# Allegro board 8880F5-0827_6.brd (continued)
## Placement (name value [footprint] x y rotation side) (continued)
NOREF#2095  -  []  468.01 222.58 0 top
NOREF#2096  -  []  251.62 205.56 90 top
NOREF#2097  -  []  371.48 232.6 0 top
NOREF#2098  -  []  249.28 223.82 90 top
NOREF#2099  -  []  251.94 264.65 90 top
NOREF#2100  -  []  220.36 237.06 0 top
NOREF#2101  -  []  237.66 164.72 0 top
NOREF#2102  -  []  271.04 242.96 0 top
NOREF#2103  -  []  262.36 223.82 90 top
NOREF#2104  -  []  184.47 233.47 90 top
NOREF#2105  -  []  258.35 288.91 90 top
NOREF#2106  -  []  241.6 296.61 0 top
NOREF#2107  -  []  310.43 246.34 90 top
NOREF#2108  -  []  310.43 188.88 90 top
NOREF#2109  -  []  352.55 245.18 0 top
NOREF#2110  -  []  386.46 139.89 0 top
NOREF#2111  -  []  248.33 187.93 0 top
NOREF#2112  -  []  230.43 193.37 90 top
NOREF#2113  -  []  259.33 265.55 0 top
NOREF#2114  -  []  463.61 214.96 0 top
NOREF#2115  -  []  456.04 222.5 0 top
NOREF#2116  -  []  175.7 232.37 90 top
NOREF#2117  -  []  511.59 259.9 90 top
NOREF#2118  -  []  252.51 205.56 0 top
NOREF#2119  -  []  201.23 247.18 90 top
NOREF#2120  -  []  211.11 173.86 90 top
NOREF#2121  -  []  330.18 182.88 0 top
NOREF#2122  -  []  381.74 281.11 0 top
NOREF#2123  -  []  127.7 238.84 0 top
NOREF#2124  -  []  306.71 139.64 0 top
NOREF#2125  -  []  399.99 164.91 90 top
NOREF#2126  -  []  412.62 281.37 0 top
NOREF#2127  -  []  390.53 154.88 0 top
NOREF#2128  -  []  473.6 206.05 90 top
NOREF#2129  -  []  485.36 292.02 90 top
NOREF#2130  -  []  396.03 146.88 0 top
NOREF#2131  -  []  297.71 216.09 0 top
NOREF#2132  -  []  124.1 231.22 0 top
NOREF#2133  -  []  263.95 224.74 90 top
NOREF#2134  -  []  453.84 179.06 0 top
NOREF#2135  -  []  328.62 290.13 90 top
NOREF#2136  -  []  473.79 196.21 0 top
NOREF#2137  -  []  167.7 187.92 90 top
NOREF#2138  -  []  399.07 208.91 90 top
NOREF#2139  -  []  328.33 187.93 0 top
NOREF#2140  -  []  201.49 178.86 90 top
NOREF#2141  -  []  124.1 238.84 0 top
NOREF#2142  -  []  346.08 296.86 0 top
NOREF#2143  -  []  248.96 224.72 0 top
NOREF#2144  -  []  271.04 184.23 0 top
NOREF#2145  -  []  399.64 144.98 0 top
NOREF#2146  -  []  316.43 132.91 90 top
NOREF#2147  -  []  271.04 189.18 0 top
NOREF#2148  -  []  459.28 183.57 90 top
NOREF#2149  -  []  400.25 148.15 90 top
NOREF#2150  -  []  495.08 274.77 90 top
NOREF#2151  -  []  459.28 192.71 0 top
NOREF#2152  -  []  192.57 228.97 90 top
NOREF#2153  -  []  328.96 164.72 0 top
NOREF#2154  -  []  165.8 226.57 90 top
NOREF#2155  -  []  108.27 171.02 0 top
NOREF#2156  -  []  398.65 225.11 0 top
NOREF#2157  -  []  309.21 188.88 0 top
NOREF#2158  -  []  201.21 290.01 90 top
NOREF#2159  -  []  101.82 273.87 90 top
NOREF#2160  -  []  303.47 154.05 0 top
NOREF#2161  -  []  378.58 289.12 90 top
NOREF#2162  -  []  118.96 179.19 0 top
NOREF#2163  -  []  237.98 223.82 90 top
NOREF#2164  -  []  272.25 241.69 0 top
NOREF#2165  -  []  229.51 193.69 0 top
NOREF#2166  -  []  379.52 171.39 0 top
NOREF#2167  -  []  352.24 181.05 90 top
NOREF#2168  -  []  271.34 245.18 0 top
NOREF#2169  -  []  310.41 188.88 90 top
NOREF#2170  -  []  263.31 164.74 0 top
NOREF#2171  -  []  326.43 288.31 90 top
NOREF#2172  -  []  392.24 199.18 90 top
NOREF#2173  -  []  166.06 230.19 90 top
NOREF#2174  -  []  352.24 243.59 90 top
NOREF#2175  -  []  252.51 265.56 90 top
NOREF#2176  -  []  373.87 171.39 0 top
NOREF#2177  -  []  199.33 257.62 90 top
NOREF#2178  -  []  461.96 174.55 0 top
NOREF#2179  -  []  310.43 248.88 0 top
NOREF#2180  -  []  310.73 253.69 0 top
NOREF#2181  -  []  167.7 159.65 90 top
NOREF#2182  -  []  344.37 128.27 90 top
NOREF#2183  -  []  259.33 205.55 0 top
NOREF#2184  -  []  330.51 288.86 0 top
NOREF#2185  -  []  250.17 223.82 90 top
NOREF#2186  -  []  271.34 189.5 0 top
NOREF#2187  -  []  331.62 264.35 90 top
NOREF#2188  -  []  272.25 245.5 0 top
NOREF#2189  -  []  351.04 249.18 0 top
NOREF#2190  -  []  331.62 205.56 90 top
NOREF#2191  -  []  175.7 189.02 90 top
NOREF#2192  -  []  166.06 189.04 90 top
NOREF#2193  -  []  353.35 288.31 90 top
NOREF#2194  -  []  118.99 171.65 0 top
NOREF#2195  -  []  305.94 296.86 0 top
NOREF#2196  -  []  309.21 253.37 0 top
NOREF#2197  -  []  201.49 151.93 90 top
NOREF#2198  -  []  260.74 143.19 0 top
NOREF#2199  -  []  367.48 258.38 90 top
NOREF#2200  -  []  184.47 241.43 0 top
NOREF#2201  -  []  394.05 255.47 0 top
NOREF#2202  -  []  167.7 206.29 90 top
NOREF#2203  -  []  346.27 132.97 90 top
NOREF#2204  -  []  270.04 135.24 90 top
NOREF#2205  -  []  327.25 264.35 90 top
NOREF#2206  -  []  351.04 249.82 0 top
NOREF#2207  -  []  309.51 243.41 0 top
NOREF#2208  -  []  111.54 287.84 90 top
NOREF#2209  -  []  267.84 280.1 0 top
NOREF#2210  -  []  262.36 296.86 0 top
NOREF#2211  -  []  251.62 205.56 0 top
NOREF#2212  -  []  463.61 171.53 0 top
NOREF#2213  -  []  351.04 182.96 0 top
NOREF#2214  -  []  127.95 195.15 0 top
NOREF#2215  -  []  473.79 239.64 0 top
NOREF#2216  -  []  250.74 224.74 0 top
NOREF#2217  -  []  352.24 249.18 90 top
NOREF#2218  -  []  397.55 209.41 90 top
NOREF#2219  -  []  122.15 222.33 0 top
NOREF#2220  -  []  376.23 209.11 0 top
NOREF#2221  -  []  100.73 238.84 0 top
NOREF#2222  -  []  404.4 257.42 90 top
NOREF#2223  -  []  405.51 209.61 0 top
NOREF#2224  -  []  313.98 131.19 90 top
NOREF#2225  -  []  117.33 247.35 90 top
NOREF#2226  -  []  263.71 288.86 0 top
NOREF#2227  -  []  331.38 223.52 90 top
NOREF#2228  -  []  230.41 248.88 90 top
NOREF#2229  -  []  390.69 273.11 0 top
NOREF#2230  -  []  209.49 155.13 90 top
NOREF#2231  -  []  304.82 146.05 0 top
NOREF#2232  -  []  201.23 227.72 90 top
NOREF#2233  -  []  459.24 219.3 90 top
NOREF#2234  -  []  334.29 205.55 0 top
NOREF#2235  -  []  184.47 201.89 90 top
NOREF#2236  -  []  378.33 224.6 90 top
NOREF#2237  -  []  329.28 223.82 90 top
NOREF#2238  -  []  314.33 228.13 90 top
NOREF#2239  -  []  201.23 187.92 90 top
NOREF#2240  -  []  199.08 254 90 top
NOREF#2241  -  []  392.47 240.66 90 top
NOREF#2242  -  []  318.45 257.01 0 top
NOREF#2243  -  []  257.09 223.52 90 top
NOREF#2244  -  []  387.39 265.11 0 top
NOREF#2245  -  []  463.61 222.58 0 top
NOREF#2246  -  []  94.68 234.24 0 top
NOREF#2247  -  []  209.23 209.49 90 top
NOREF#2248  -  []  390.94 257.16 90 top
NOREF#2249  -  []  184.89 227.17 90 top
NOREF#2250  -  []  419.9 240.56 90 top
NOREF#2251  -  []  253.72 205.86 90 top
NOREF#2252  -  []  119.95 222.33 0 top
NOREF#2253  -  []  303.26 139.64 0 top
NOREF#2254  -  []  263.31 224.74 0 top
NOREF#2255  -  []  411.26 179.6 90 top
NOREF#2256  -  []  155.57 291.65 90 top
NOREF#2257  -  []  284.77 288.86 0 top
NOREF#2258  -  []  313.77 146.05 90 top
NOREF#2259  -  []  251.86 192.43 90 top
NOREF#2260  -  []  460.93 191.31 90 top
NOREF#2261  -  []  451.68 171.53 0 top
NOREF#2262  -  []  295.96 237.06 0 top
NOREF#2263  -  []  375.73 193.43 90 top
NOREF#2264  -  []  201.49 173.11 0 top
NOREF#2265  -  []  168.69 290.01 90 top
NOREF#2266  -  []  209.23 236.67 90 top
NOREF#2267  -  []  346.27 129.42 0 top
NOREF#2268  -  []  327.25 205.56 90 top
NOREF#2269  -  []  387.39 281.11 0 top
NOREF#2270  -  []  409.17 297.12 0 top
NOREF#2271  -  []  343.63 223.82 90 top
NOREF#2272  -  []  253.4 204.35 90 top
NOREF#2273  -  []  252.43 132.14 0 top
NOREF#2274  -  []  128.05 271.33 90 top
NOREF#2275  -  []  451.68 214.96 0 top
NOREF#2276  -  []  175.7 135.17 90 top
NOREF#2277  -  []  405.5 241.11 90 top
NOREF#2278  -  []  378.33 241.11 90 top
NOREF#2279  -  []  296.96 252.14 0 top
NOREF#2280  -  []  366.88 239.21 0 top
NOREF#2281  -  []  471.21 211.76 0 top
NOREF#2282  -  []  319.33 243.63 90 top
NOREF#2283  -  []  328.96 224.74 0 top
NOREF#2284  -  []  209.23 189.02 90 top
NOREF#2285  -  []  247.78 132.14 90 top
NOREF#2286  -  []  331.05 204.65 90 top
NOREF#2287  -  []  165.8 212.85 0 top
NOREF#2288  -  []  239.4 296.61 0 top
NOREF#2289  -  []  199.59 216.47 90 top
NOREF#2290  -  []  320.94 211.63 90 top
NOREF#2291  -  []  406.19 188.15 0 top
NOREF#2292  -  []  182.82 189.04 90 top
NOREF#2293  -  []  253.4 265.56 90 top
NOREF#2294  -  []  299.81 213.69 90 top
NOREF#2295  -  []  115.61 219.13 90 top
NOREF#2296  -  []  383.09 289.12 0 top
NOREF#2297  -  []  351.34 189.5 0 top
NOREF#2298  -  []  369.63 273.11 0 top
NOREF#2299  -  []  405.93 256.92 90 top
NOREF#2300  -  []  238.3 163.52 90 top
NOREF#2301  -  []  518.38 276.41 90 top
NOREF#2302  -  []  453.88 171.53 0 top
NOREF#2303  -  []  326 288.86 90 top
NOREF#2304  -  []  460.93 210.36 90 top
NOREF#2305  -  []  254.29 265.55 0 top
NOREF#2306  -  []  395.2 281.11 0 top
NOREF#2307  -  []  419.47 241.11 90 top
NOREF#2308  -  []  410.52 289.12 0 top
NOREF#2309  -  []  383.73 195.88 90 top
NOREF#2310  -  []  330.73 204.35 90 top
NOREF#2311  -  []  201.49 173.11 90 top
NOREF#2312  -  []  168.13 213.45 90 top
NOREF#2313  -  []  250.73 204.35 90 top
NOREF#2314  -  []  465.45 276.41 90 top
NOREF#2315  -  []  272.24 244.86 90 top
NOREF#2316  -  []  223.15 271.32 90 top
NOREF#2317  -  []  201.21 273.5 90 top
NOREF#2318  -  []  250.49 164.74 90 top
NOREF#2319  -  []  314.33 168.13 90 top
NOREF#2320  -  []  247.57 264.65 90 top
NOREF#2321  -  []  401.89 163.64 0 top
NOREF#2322  -  []  286.12 288.86 90 top
NOREF#2323  -  []  194.09 242.18 90 top
NOREF#2324  -  []  331.22 253.63 0 top
NOREF#2325  -  []  461.86 225.6 90 top
NOREF#2326  -  []  352.55 183.91 0 top
NOREF#2327  -  []  185.2 273.5 90 top
NOREF#2328  -  []  234.33 228.13 90 top
NOREF#2329  -  []  334.61 205.86 90 top
NOREF#2330  -  []  342.36 165.04 90 top
NOREF#2331  -  []  352.25 189.18 90 top
NOREF#2332  -  []  483.17 130.26 90 top
NOREF#2333  -  []  330.73 265.55 0 top
NOREF#2334  -  []  388.43 180.15 0 top
NOREF#2335  -  []  422.95 163.69 90 top
NOREF#2336  -  []  108.01 222.33 0 top
NOREF#2337  -  []  310.41 253.37 90 top
NOREF#2338  -  []  336.77 163.82 90 top
NOREF#2339  -  []  309.21 246.34 0 top
NOREF#2340  -  []  238.3 288.61 0 top
NOREF#2341  -  []  261.16 135.74 90 top
NOREF#2342  -  []  88.64 247.45 90 top
NOREF#2343  -  []  461.96 166.93 0 top
NOREF#2344  -  []  305.83 204.31 0 top
NOREF#2345  -  []  471.21 175.95 90 top
NOREF#2346  -  []  369.63 289.12 0 top
NOREF#2347  -  []  209.49 177.76 90 top
NOREF#2348  -  []  310.43 247.61 0 top
NOREF#2349  -  []  331.06 225.04 90 top
NOREF#2350  -  []  418.12 273.37 0 top
NOREF#2351  -  []  478.57 293.82 90 top
NOREF#2352  -  []  259.33 205.56 0 top
NOREF#2353  -  []  287.27 286.96 90 top
NOREF#2354  -  []  339.33 265.56 90 top
NOREF#2355  -  []  387.39 297.12 0 top
NOREF#2356  -  []  332.83 204.65 90 top
NOREF#2357  -  []  321.35 296.86 0 top
NOREF#2358  -  []  217.71 276.09 0 top
NOREF#2359  -  []  309.51 249.2 0 top
NOREF#2360  -  []  273.09 288.31 90 top
NOREF#2361  -  []  341.48 286.96 0 top
NOREF#2362  -  []  395.07 129.99 0 top
NOREF#2363  -  []  201.91 159.1 90 top
NOREF#2364  -  []  220.36 177.06 0 top
NOREF#2365  -  []  405.42 131.94 90 top
NOREF#2366  -  []  367.48 242.38 90 top
NOREF#2367  -  []  373.68 232.6 0 top
NOREF#2368  -  []  413.1 144.98 0 top
NOREF#2369  -  []  456.08 214.96 0 top
NOREF#2370  -  []  418.37 289.17 90 top
NOREF#2371  -  []  390.94 241.16 90 top
NOREF#2372  -  []  460.89 217.9 90 top
NOREF#2373  -  []  381.2 242.38 90 top
NOREF#2374  -  []  366.88 255.21 0 top
NOREF#2375  -  []  399.67 131.89 0 top
NOREF#2376  -  []  283.21 282 0 top
NOREF#2377  -  []  184.47 227.72 0 top
NOREF#2378  -  []  115.61 191.95 0 top
NOREF#2379  -  []  182.57 254 0 top
NOREF#2380  -  []  400.85 249.11 0 top
NOREF#2381  -  []  118.45 234.24 90 top
NOREF#2382  -  []  304.61 131.64 0 top
NOREF#2383  -  []  398.65 281.11 0 top
NOREF#2384  -  []  378.75 256.56 90 top
NOREF#2385  -  []  312.21 131.64 0 top
NOREF#2386  -  []  277.17 288.86 0 top
NOREF#2387  -  []  175.8 187.82 90 top
NOREF#2388  -  []  352.25 181.05 90 top
NOREF#2389  -  []  462.06 274.77 90 top
NOREF#2390  -  []  396.55 257.37 0 top
NOREF#2391  -  []  377.32 180.15 0 top
NOREF#2392  -  []  274.37 147.93 90 top
NOREF#2393  -  []  287.91 280.1 0 top
NOREF#2394  -  []  167.7 247.18 90 top
NOREF#2395  -  []  250.73 205.56 90 top
NOREF#2396  -  []  352.25 249.82 0 top
NOREF#2397  -  []  250.74 224.72 0 top
NOREF#2398  -  []  317.98 165.04 90 top
NOREF#2399  -  []  277.17 288.86 0 top
NOREF#2400  -  []  311.15 219.63 90 top
NOREF#2401  -  []  252.83 204.65 90 top
NOREF#2402  -  []  194.09 255.9 90 top
NOREF#2403  -  []  465.81 171.53 0 top
NOREF#2404  -  []  461.86 230.75 0 top
NOREF#2405  -  []  36.1 129.71 90 top
NOREF#2406  -  []  315.82 129.74 0 top
NOREF#2407  -  []  320.42 131.64 0 top
NOREF#2408  -  []  165.8 131.57 0 top
NOREF#2409  -  []  263.63 165.04 90 top
NOREF#2410  -  []  128.24 171.1 0 top
NOREF#2411  -  []  367.73 274.38 90 top
NOREF#2412  -  []  403.41 209.61 0 top
NOREF#2413  -  []  479.44 239.09 0 top
NOREF#2414  -  []  392.73 188.15 0 top
NOREF#2415  -  []  389.7 209.36 0 top
NOREF#2416  -  []  251.06 163.82 90 top
NOREF#2417  -  []  226.44 294.64 90 top
NOREF#2418  -  []  192.47 264.1 90 top
NOREF#2419  -  []  332.51 204.35 90 top
NOREF#2420  -  []  217.83 174.63 90 top
NOREF#2421  -  []  216.96 240.71 0 top
NOREF#2422  -  []  112.67 178.64 0 top
NOREF#2423  -  []  182.57 199.39 90 top
NOREF#2424  -  []  386.33 207.21 90 top
NOREF#2425  -  []  424.47 163.19 90 top
NOREF#2426  -  []  449.99 174.46 0 top
NOREF#2427  -  []  351.34 249.5 0 top
NOREF#2428  -  []  337.09 224.74 90 top
NOREF#2429  -  []  184.89 213.45 90 top
NOREF#2430  -  []  272.55 183.91 0 top
NOREF#2431  -  []  250.74 164.74 0 top
NOREF#2432  -  []  168.69 273.5 90 top
NOREF#2433  -  []  94.68 234.24 0 top
NOREF#2434  -  []  167.7 134.07 90 top
NOREF#2435  -  []  201.23 241.43 0 top
NOREF#2436  -  []  341.63 195.43 90 top
NOREF#2437  -  []  448.94 292.92 90 top
NOREF#2438  -  []  251.22 193.63 0 top
NOREF#2439  -  []  261.21 286.96 0 top
NOREF#2440  -  []  167.7 244.98 90 top
NOREF#2441  -  []  409.74 163.69 90 top
NOREF#2442  -  []  84.04 287.84 90 top
NOREF#2443  -  []  249.13 140.14 0 top
NOREF#2444  -  []  415.6 146.88 0 top
NOREF#2445  -  []  298.13 214.06 90 top
NOREF#2446  -  []  118.99 171.65 0 top
NOREF#2447  -  []  423.61 182.42 90 top
NOREF#2448  -  []  201.66 227.17 90 top
NOREF#2449  -  []  260.29 136.46 90 top
NOREF#2450  -  []  168.13 227.17 90 top
NOREF#2451  -  []  310.43 243.09 0 top
NOREF#2452  -  []  194.09 173.86 90 top
NOREF#2453  -  []  105.93 204.27 90 top
NOREF#2454  -  []  310.43 247.61 90 top
NOREF#2455  -  []  450.03 234.74 0 top
NOREF#2456  -  []  306.92 146.05 0 top
NOREF#2457  -  []  375.22 180.15 0 top
NOREF#2458  -  []  339.33 205.55 0 top
NOREF#2459  -  []  168.13 172.56 90 top
NOREF#2460  -  []  330.73 205.56 90 top
NOREF#2461  -  []  230.43 188.88 90 top
NOREF#2462  -  []  251.06 165.04 90 top
NOREF#2463  -  []  327.25 205.55 0 top
NOREF#2464  -  []  270.04 280.1 0 top
NOREF#2465  -  []  392.73 154.88 0 top
NOREF#2466  -  []  301.56 171.46 0 top
NOREF#2467  -  []  332.83 265.86 90 top
NOREF#2468  -  []  184.47 145.93 0 top
NOREF#2469  -  []  184.47 241.43 90 top
NOREF#2470  -  []  459.28 211.76 90 top
NOREF#2471  -  []  282.9 147.38 0 top
NOREF#2472  -  []  330.74 224.74 0 top
NOREF#2473  -  []  414.82 297.12 0 top
NOREF#2474  -  []  404.4 225.16 90 top
NOREF#2475  -  []  108.27 178.64 0 top
NOREF#2476  -  []  229.51 183.41 0 top
NOREF#2477  -  []  385.19 232.85 0 top
NOREF#2478  -  []  215.96 248.49 0 top
NOREF#2479  -  []  192.57 242.68 90 top
NOREF#2480  -  []  249.85 224.72 0 top
NOREF#2481  -  []  463.11 230.2 0 top
NOREF#2482  -  []  375.73 193.43 0 top
NOREF#2483  -  []  418.12 289.12 0 top
NOREF#2484  -  []  379.52 188.15 0 top
NOREF#2485  -  []  344.62 131.89 90 top
NOREF#2486  -  []  410.78 131.89 0 top
NOREF#2487  -  []  384.17 163.39 90 top
NOREF#2488  -  []  260.6 286.96 90 top
NOREF#2489  -  []  127.3 228.02 90 top
NOREF#2490  -  []  184.47 159.65 90 top
NOREF#2491  -  []  106.11 234.24 0 top
NOREF#2492  -  []  182.82 257.62 90 top
NOREF#2493  -  []  409.74 146.88 0 top
NOREF#2494  -  []  311.15 159.63 90 top
NOREF#2495  -  []  192.47 243.88 90 top
NOREF#2496  -  []  127.99 214.79 0 top
NOREF#2497  -  []  395.2 233.11 0 top
NOREF#2498  -  []  226.27 156.63 90 top
NOREF#2499  -  []  98.78 195.15 0 top
NOREF#2500  -  []  460.93 182.17 90 top
NOREF#2501  -  []  194.09 160.4 90 top
NOREF#2502  -  []  318.3 224.74 90 top
NOREF#2503  -  []  392.24 199.18 90 top
NOREF#2504  -  []  230.41 253.37 90 top
NOREF#2505  -  []  230.43 183.09 90 top
NOREF#2506  -  []  410.84 180.15 90 top
NOREF#2507  -  []  230.73 189.2 0 top
NOREF#2508  -  []  118.33 286.94 90 top
NOREF#2509  -  []  326.17 131.69 90 top
NOREF#2510  -  []  306.85 211.67 0 top
NOREF#2511  -  []  107.02 174.04 90 top
NOREF#2512  -  []  201.23 192.32 90 top
NOREF#2513  -  []  382.82 163.39 0 top
NOREF#2514  -  []  127.59 211.59 90 top
NOREF#2515  -  []  262.68 163.52 90 top
NOREF#2516  -  []  201.66 240.88 90 top
NOREF#2517  -  []  258.2 186.67 0 top
NOREF#2518  -  []  167.7 260.9 90 top
NOREF#2519  -  []  351.04 189.18 0 top
NOREF#2520  -  []  392.04 257.11 90 top
NOREF#2521  -  []  223.56 233.86 90 top
NOREF#2522  -  []  337.9 186.35 90 top
NOREF#2523  -  []  518.38 259.9 90 top
NOREF#2524  -  []  400.54 171.64 0 top
NOREF#2525  -  []  166.06 162.12 90 top
NOREF#2526  -  []  290.11 280.1 0 top
NOREF#2527  -  []  192.47 162.1 90 top
NOREF#2528  -  []  392.47 288.67 90 top
NOREF#2529  -  []  317.66 224.72 0 top
NOREF#2530  -  []  463.61 179.15 0 top
NOREF#2531  -  []  352.55 181.37 0 top
NOREF#2532  -  []  286.55 288.41 90 top
NOREF#2533  -  []  254.61 264.65 90 top
NOREF#2534  -  []  107.76 238.84 0 top
NOREF#2535  -  []  209.59 147.43 90 top
NOREF#2536  -  []  261.63 233.83 90 top
NOREF#2537  -  []  167.7 145.93 0 top
NOREF#2538  -  []  390.53 146.88 0 top
NOREF#2539  -  []  343.63 163.82 90 top
NOREF#2540  -  []  230.73 183.41 0 top
NOREF#2541  -  []  463.11 186.77 0 top
NOREF#2542  -  []  319.33 183.63 90 top
NOREF#2543  -  []  377.23 241.16 90 top
NOREF#2544  -  []  461.86 230.75 0 top
NOREF#2545  -  []  310.43 186.34 0 top
NOREF#2546  -  []  167.7 219.75 90 top
NOREF#2547  -  []  259.45 288.86 90 top
NOREF#2548  -  []  383.07 180.2 90 top
NOREF#2549  -  []  310.73 243.41 0 top
NOREF#2550  -  []  175.7 257.6 90 top
NOREF#2551  -  []  343.98 288.86 0 top
NOREF#2552  -  []  456.08 239.34 0 top
NOREF#2553  -  []  259.33 204.35 90 top
NOREF#2554  -  []  327.27 131.64 90 top
NOREF#2555  -  []  118.74 215.34 0 top
NOREF#2556  -  []  385.19 281.11 0 top
NOREF#2557  -  []  231.15 219.63 90 top
NOREF#2558  -  []  450.03 210.36 0 top
NOREF#2559  -  []  309.21 186.34 0 top
NOREF#2560  -  []  107.02 166.42 90 top
NOREF#2561  -  []  381.2 258.38 90 top
NOREF#2562  -  []  167.7 258.7 90 top
NOREF#2563  -  []  192.57 160.9 90 top
NOREF#2564  -  []  199.84 162.12 90 top
NOREF#2565  -  []  339.65 205.86 90 top
NOREF#2566  -  []  192.47 230.17 90 top
NOREF#2567  -  []  184.47 247.18 90 top
NOREF#2568  -  []  199.33 240.28 0 top
NOREF#2569  -  []  251.06 225.04 90 top
NOREF#2570  -  []  304.61 131.64 0 top
NOREF#2571  -  []  258.61 131.69 90 top
NOREF#2572  -  []  390.34 192.28 90 top
R1  NC/1M-1-S4  [R0402]  221.23 227.84 180 bottom
R2  NC/1M-1-S4  [R0402]  218.95 227.84 0 bottom
R3  NC/100K-1-S4  [R0402]  184.15 131.06 180 bottom
R4  NC/100K-1-S4  [R0402]  181.61 131.06 180 bottom
R5  0-5-S4  [R0402]  222.38 272.16 270 bottom
R6  1M-1-S4  [R0402]  222.38 274.32 270 bottom
R7  49.9-1-S4  [R0402]  349.4 299.66 180 bottom
R8  49.9-1-S4  [R0402]  351.55 299.66 180 bottom
R9  49.9-1-S4  [R0402]  349.4 286.07 180 bottom
R10  49.9-1-S4  [R0402]  351.55 286.07 180 bottom
R11  49.9-1-S4  [R0402]  335.94 299.66 180 bottom
R12  49.9-1-S4  [R0402]  338.09 299.66 180 bottom
R13  49.9-1-S4  [R0402]  335.94 286.07 180 bottom
R14  49.9-1-S4  [R0402]  338.09 286.07 180 bottom
R15  49.9-1-S4  [R0402]  322.48 299.66 180 bottom
R16  49.9-1-S4  [R0402]  324.62 299.66 180 bottom
R17  49.9-1-S4  [R0402]  322.48 286.07 180 bottom
R18  49.9-1-S4  [R0402]  324.62 286.07 180 bottom
R19  49.9-1-S4  [R0402]  287.88 269.3 0 bottom
R20  49.9-1-S4  [R0402]  285.74 269.3 0 bottom
R21  49.9-1-S4  [R0402]  287.88 282.89 0 bottom
R22  49.9-1-S4  [R0402]  285.74 282.89 0 bottom
R23  49.9-1-S4  [R0402]  309.27 299.66 180 bottom
R24  49.9-1-S4  [R0402]  311.42 299.66 180 bottom
R25  49.9-1-S4  [R0402]  309.27 286.07 180 bottom
R26  49.9-1-S4  [R0402]  311.42 286.07 180 bottom
R27  49.9-1-S4  [R0402]  296.06 299.66 180 bottom
R28  49.9-1-S4  [R0402]  298.21 299.66 180 bottom
R29  49.9-1-S4  [R0402]  296.06 286.07 180 bottom
R30  49.9-1-S4  [R0402]  298.21 286.07 180 bottom
R31  49.9-1-S4  [R0402]  282.6 299.66 180 bottom
R32  49.9-1-S4  [R0402]  284.75 299.66 180 bottom
R33  49.9-1-S4  [R0402]  282.6 286.07 180 bottom
R34  49.9-1-S4  [R0402]  284.75 286.07 180 bottom
R37  49.9-1-S4  [R0402]  269.14 286.07 180 bottom
R38  49.9-1-S4  [R0402]  271.28 286.07 180 bottom
R39  49.9-1-S4  [R0402]  255.93 299.66 180 bottom
R40  49.9-1-S4  [R0402]  258.08 299.66 180 bottom
R41  49.9-1-S4  [R0402]  255.93 286.07 180 bottom
R42  49.9-1-S4  [R0402]  258.08 286.07 180 bottom
R43  49.9-1-S4  [R0402]  164.91 258.67 90 bottom
R44  49.9-1-S4  [R0402]  164.91 256.53 90 bottom
R45  49.9-1-S4  [R0402]  198.44 231.24 90 bottom
R46  49.9-1-S4  [R0402]  198.44 229.1 90 bottom
R47  49.9-1-S4  [R0402]  178.5 217.52 90 bottom
R48  49.9-1-S4  [R0402]  178.5 215.38 90 bottom
R49  49.9-1-S4  [R0402]  164.91 217.52 90 bottom
R50  49.9-1-S4  [R0402]  164.91 215.38 90 bottom
R51  49.9-1-S4  [R0402]  195.26 231.24 90 bottom
R52  49.9-1-S4  [R0402]  195.26 229.1 90 bottom
R53  49.9-1-S4  [R0402]  181.67 231.24 90 bottom
R54  49.9-1-S4  [R0402]  181.67 229.1 90 bottom
R55  49.9-1-S4  [R0402]  212.03 244.96 90 bottom
R56  49.9-1-S4  [R0402]  212.03 242.81 90 bottom
R57  49.9-1-S4  [R0402]  198.44 244.96 90 bottom
R58  49.9-1-S4  [R0402]  198.44 242.81 90 bottom
R59  49.9-1-S4  [R0402]  178.5 231.24 90 bottom
R60  49.9-1-S4  [R0402]  178.5 229.1 90 bottom
R61  49.9-1-S4  [R0402]  164.91 231.24 90 bottom
R62  49.9-1-S4  [R0402]  164.91 229.1 90 bottom
R63  49.9-1-S4  [R0402]  178.5 244.96 90 bottom
R64  49.9-1-S4  [R0402]  178.5 242.81 90 bottom
R65  49.9-1-S4  [R0402]  181.67 244.96 90 bottom
R66  49.9-1-S4  [R0402]  181.67 242.81 90 bottom
R67  49.9-1-S4  [R0402]  239.37 285.81 0 bottom
R68  49.9-1-S4  [R0402]  237.22 285.81 0 bottom
R69  49.9-1-S4  [R0402]  239.37 299.4 0 bottom
R70  49.9-1-S4  [R0402]  237.22 299.4 0 bottom
R71  49.9-1-S4  [R0402]  195.26 258.67 90 bottom
R72  49.9-1-S4  [R0402]  195.26 256.53 90 bottom
R73  49.9-1-S4  [R0402]  181.67 258.67 90 bottom
R74  49.9-1-S4  [R0402]  181.67 256.53 90 bottom
R75  49.9-1-S4  [R0402]  211.77 258.67 90 bottom
R76  49.9-1-S4  [R0402]  211.77 256.53 90 bottom
R77  49.9-1-S4  [R0402]  198.18 258.67 90 bottom
R78  49.9-1-S4  [R0402]  198.18 256.53 90 bottom
R79  49.9-1-S4  [R0402]  178.5 258.67 90 bottom
R80  49.9-1-S4  [R0402]  178.5 256.53 90 bottom
R82  4.7K-1-S4-WA  [R0402]  122.62 241.1 180 bottom
R83  4.7K-1-S4-WA  [R0402]  96.77 233.43 180 bottom
R84  4.7K-1-S4-WA  [R0402]  96.77 241.05 180 bottom
R85  100K-1-S4  [R0402]  113.79 230.12 180 bottom
R86  4.7K-1-S4-WA  [R0402]  93.33 207.46 180 bottom
R87  4.7K-1-S4-WA  [R0402]  104.14 203.31 180 bottom
R88  4.7K-1-S4-WA  [R0402]  101.6 203.31 180 bottom
R89  4.7K-1-S4-WA  [R0402]  89.03 207.41 0 bottom
R90  4.7K-1-S4-WA  [R0402]  101.6 215.5 180 bottom
R91  4.7K-1-S4-WA  [R0402]  99.06 215.5 180 bottom
R92  4.7K-1-S4-WA  [R0402]  96.52 215.5 180 bottom
R93  4.7K-1-S4-WA  [R0402]  93.33 221.18 180 bottom
R94  4.7K-1-S4-WA  [R0402]  104.25 216.86 0 bottom
R95  4.7K-1-S4-WA  [R0402]  101.7 216.91 180 bottom
R96  4.7K-1-S4-WA  [R0402]  89.27 221.18 0 bottom
R97  4.7K-1-S4-WA  [R0402]  101.7 229.1 180 bottom
R98  4.7K-1-S4-WA  [R0402]  99.16 229.1 180 bottom
R99  4.7K-1-S4-WA  [R0402]  96.62 229.1 180 bottom
R100  49.9-1-S4  [R0402]  164.91 244.96 90 bottom
R101  49.9-1-S4  [R0402]  164.91 242.81 90 bottom
R102  49.9-1-S4  [R0402]  212.03 231.24 90 bottom
R103  49.9-1-S4  [R0402]  212.03 229.1 90 bottom
R104  49.9-1-S4  [R0402]  195.26 244.96 90 bottom
R105  49.9-1-S4  [R0402]  195.26 242.81 90 bottom
R117  1K-1-S4  [R0402]  127.2 241.1 180 bottom
R118  NC/0-5-S4  [R0402]  230.41 245.39 180 bottom
R119  4.7K-1-S4-WA  [R0402]  127.25 233.43 0 bottom
R120  4.7K-1-S4-WA  [R0402]  127.25 225.81 0 bottom
R125  0-5-S4  [R0402]  123.19 224.54 180 bottom
R126  0-5-S4  [R0402]  127.25 224.54 180 bottom
R127  0-5-S4  [R0402]  122.94 216.92 180 bottom
R128  0-5-S4  [R0402]  127.51 216.92 180 bottom
R129  0-5-S4  [R0402]  221.23 229.11 180 bottom
R130  0-5-S4  [R0402]  218.95 229.11 0 bottom
R131  50-0.1-S4-HF-VI  [R0402]  223.77 243.33 90 bottom
R132  50-0.1-S4-HF-VI  [R0402]  216.15 243.33 90 bottom
R133  0-5-S4  [R0402]  222.38 276.48 90 bottom
RB1  10K-1-S6  [R0603]  212.47 13.59 0 bottom
RB2  10K-1-S6  [R0603]  212.47 12.06 0 bottom
S1_I2C  HDR-4X1-MR-A  [JP_4P_100_R90_V1]  62.99 209.04 270 top
S1_RST_N  HDR-2X1-M  [JP_2P_100]  115.82 232.41 270 bottom
S2_I2C  HDR-4X1-MR-A  [JP_4P_100_R90_V1]  497.33 203.45 270 top
S2_RST_N  HDR-2X1-M  [JP_2P_100]  463.04 233.43 90 bottom
S3_I2C  HDR-4X1-MR-A  [JP_4P_100_R90_V1]  75.69 209.04 270 top